# Altium PCB sensorboard.PcbDoc (part 1 of 2) (continued)
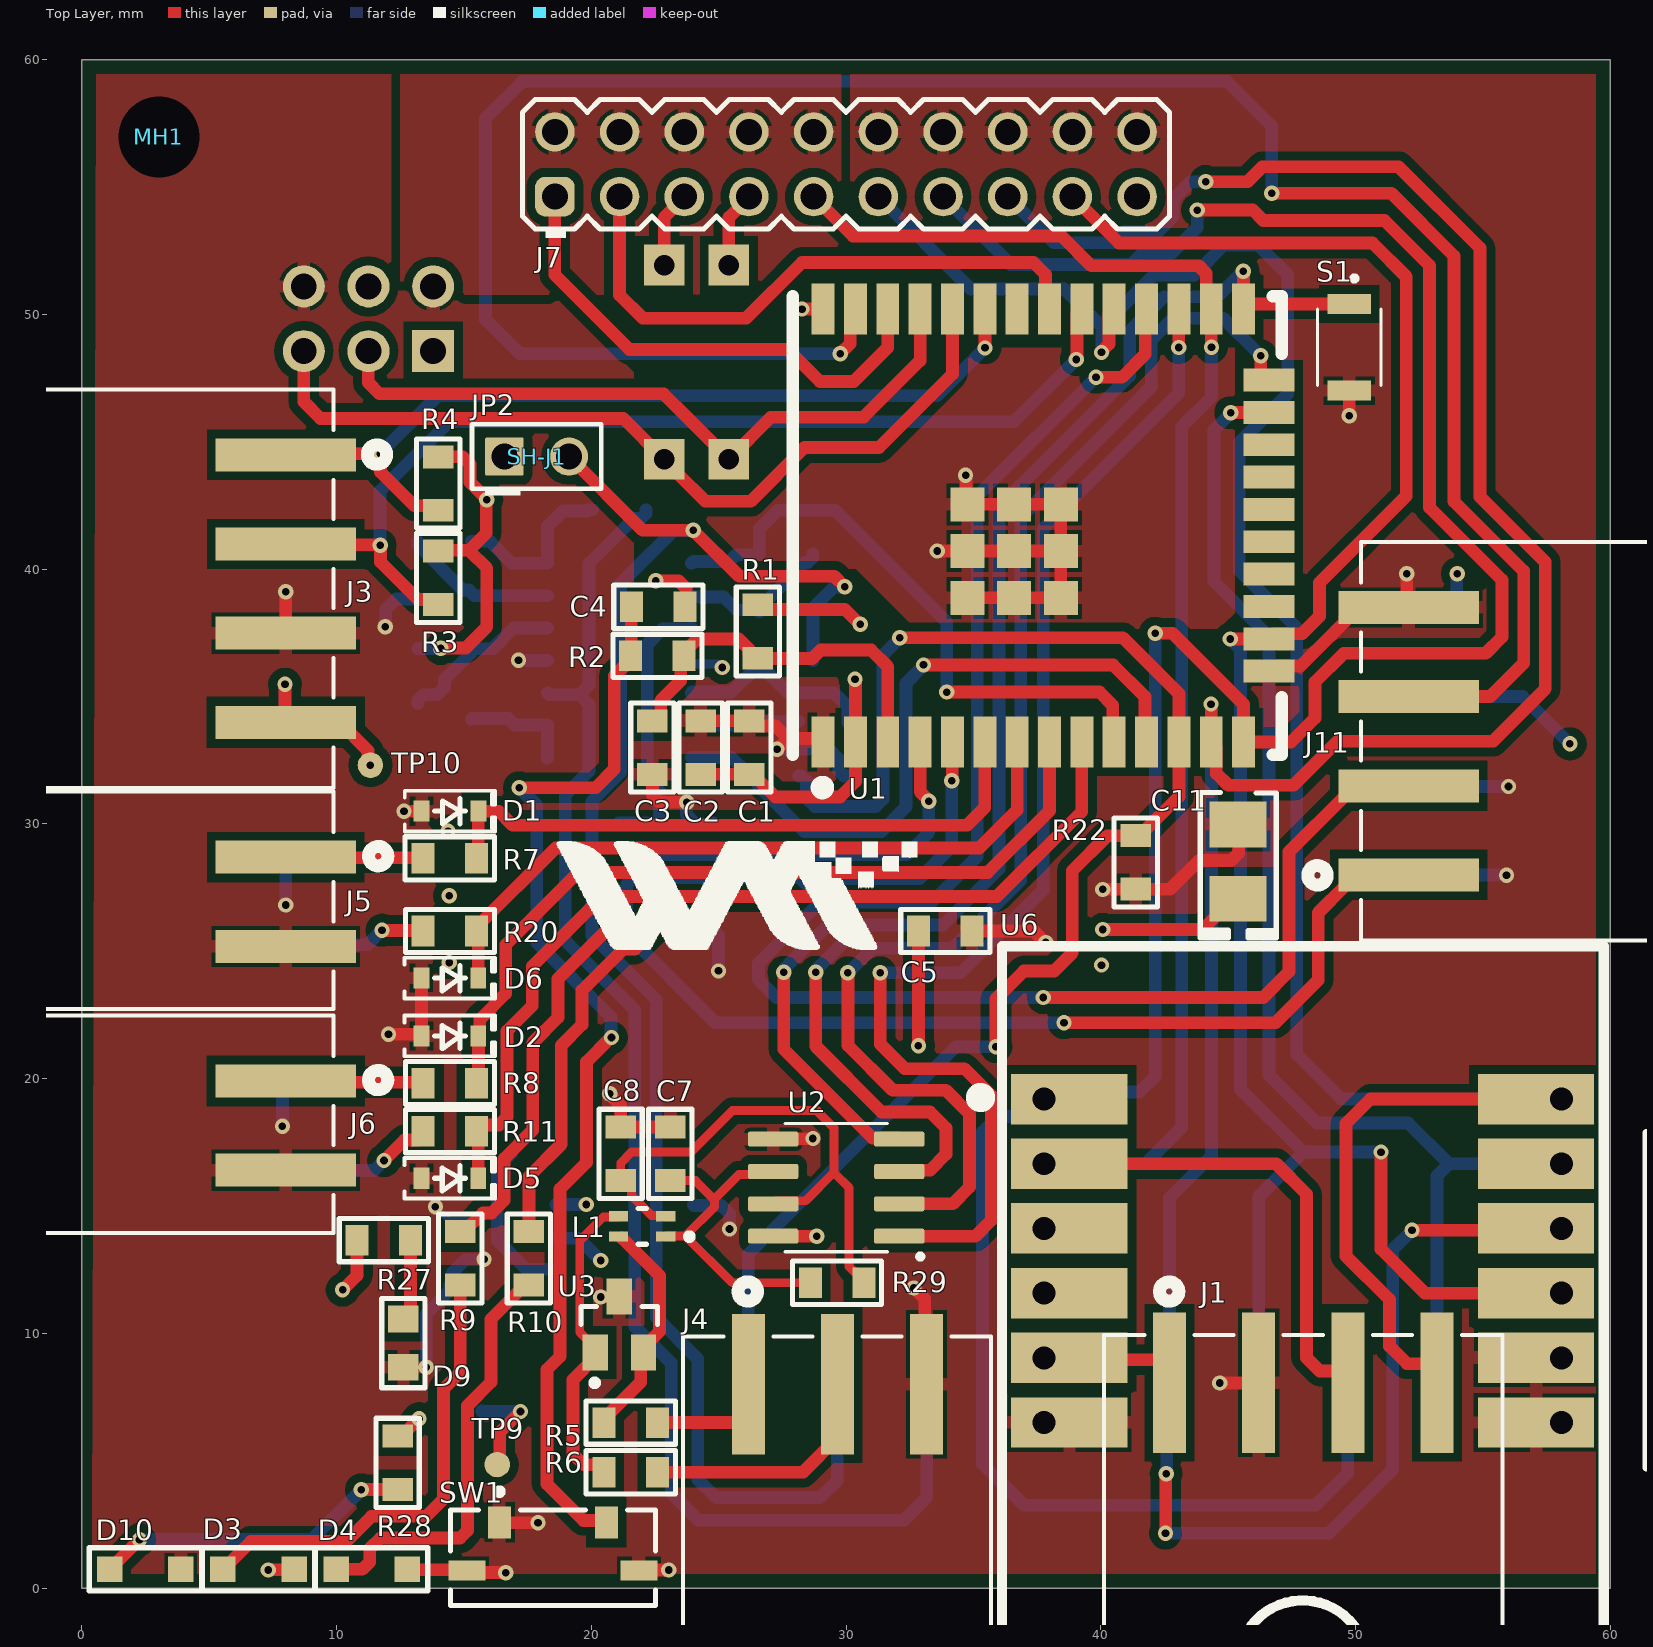
[diagram p0: Top Layer view]
## Components (designator, comment, footprint, x,y, rotation, side; value= is the part's Value field where it differs from the comment)
BR1 "DB107S" DIOB_DB107S 83.21,13.945 r0 top
C1 "22uF" C0805 26.2,33 r270 top
C2 "0.1uF" C0805 24.3,33 r270 top
C3 "1uF" C0805 22.4,33 r90 top
C4 "0.1uF" C0805 22.631,38.532 r180 top
C5 "0.1uF" C0805 33.9,25.8 r0 top
C6 "1nF/400VAC" Q12B1D102KN0B0S0N0 74.168,6.299 r90 top
C7 "100pF" C0805 23.1,17.05 r90 top
C8 "100pF" C0805 21.15,17.05 r90 top
C9 "100µF" "CAP POL 2917_7343" 20.7,4.9 r270 bottom
C10 "100µF" "CAP POL 2917_7343" 24.65,22.95 r90 bottom
C11 "1µF" "CAP POL 1411_3528" 45.39,28.524 r90 top
C12 "1nF/400VAC" Q12B1D102KN0B0S0N0 62.967,6.299 r90 top
C13 "0.1uF/400VAC" MP2104KGC3XLC 68.58,3.277 r90 top
D1 "CUS10S30,H3F" SOD323 14.453,30.505 r0 top
D2 "CUS10S30,H3F" SOD323 14.45,21.68 r0 top
D3 "GLED-RA" 12-21C/G6C-KN2P2/2C 6.934,0.737 r0 top
D4 "BLED-RA" 12-21C/BHC-AP1Q1N/2C 11.379,0.737 r0 top
D5 "CUS10S30,H3F" SOD323 14.45,16.093 r0 top
D6 "CUS10S30,H3F" SOD323 14.45,23.95 r0 top
D7 "P6SMB7.5A" "DO214AA SMB" 15.7,4.8 r90 bottom
D8 "BZX84C5V6W-7-F" "DIODES SOT-323-3" 15.1,10.85 r270 bottom
D9 "GLED" ORH-G35A 12.625,9.618 r270 top
D10 "RLED-RA" 12-21SURC/S530-A3/TR8 2.489,0.737 r0 top
D11 "PESDHC2FD4V5BH" PESDHC2FD4V5BH 15.9,14.453 r0 bottom
F1 "CC12H3A-TR" "FUSE 1206_3216 0.6MM" 10.25,11.7 r0 bottom
F2 "MF2410F1.000TM" MF2410F1.000TM-Fuse2410 78.638,11.379 r90 top
J1 "2213932-4" CONN_2213932-4_TEC-NoBody 42.703,8.06 r0 top
J2 "2213932-4" CONN_2213932-4_TEC 8.001,33.99 r90 bottom
J3 "2213932-4" CONN_2213932-4_TEC 8.001,44.49 r270 top
J4 "2213932-3" CONN_2213932-3_TEC 26.167,8.001 r0 top
J5 "2213932-2" CONN_2213932-2_TEC 8.004,28.697 r270 top
J6 "2213932-2" CONN_2213932-2_TEC 8.001,19.908 r270 top
J7 "PEC10DAAN" "Male Header 10x2" 30,55.9 r90 top
J8 "2213932-2" CONN_2213932-2_TEC 8.001,16.414 r90 bottom
J9 "2213932-2" CONN_2213932-2_TEC 8.004,25.197 r90 bottom
J10 "2213932-3" CONN_2213932-3_TEC 33.167,8.001 r180 bottom
J11 "2213932-4" CONN_2213932-4_TEC 52.095,28.001 r90 top
J12 "2213932-4" CONN_2213932-4_TEC 52.095,38.501 r270 bottom
J13 "PT-Block" "PLUGGABLE 2X3P TERMINAL BLOCK RIGHT ANGLE" 79.858,80.721 r270 top
J14 "2213932-4" CONN_2213932-4_TEC 53.203,8.06 r180 bottom
J15 "PT-Block" "PLUGGABLE 2X6P TERMINAL BLOCK RIGHT ANGLE" 21.565,97.79 r270 top
J16 "PT-Block" "PLUGGABLE 2X6P TERMINAL BLOCK RIGHT ANGLE" 51.105,105.461 r270 top
JP1 "PEC03DAAN" "MALE HEADER 2X3 RA" 13.792,48.565 r180 bottom
JP2 "PEC02SAAN" "Male Header 2x1" 16.586,44.425 r0 top
L1 "ACM2012-121-2P-T002" TDK-ACM2012-4_V 22,14.2 r180 top
L2 "47µH" "WURTH WE-LQS 6045" 16.9,19.4 r270 bottom
L3 "UU9.8Y-10mH" UU9.8Y-10MH 79.375,92.152 r90 top
MH1 "MTG_NoPads" ? 3.023,56.972 r0 top
MH2 "MTG_NoPads" ? 73.355,26.162 r0 top
PS1 "HLK-5M05" CONV_HLK-5M05 131.166,83.617 r90 top
R1 "10Kohm" R0805 26.543,36.508 r90 top
R2 "0R" R0805 21.547,36.601 r0 top
R3 "10Kohm" R0805 13.995,38.616 r90 top
R4 "10Kohm" R0805 13.995,42.316 r90 top
R5 "10ohm" R0805 22.6,6.5 r180 top
R6 "10ohm" R0805 22.6,4.55 r180 top
R7 "1K" R0805 15.494,28.651 r180 top
R8 "1K" R0805 15.5,19.83 r180 top
R9 "33ohm" R0805 14.859,11.895 r90 top
R10 "33ohm" R0805 17.551,11.895 r90 top
R11 "1K" R0805 15.5,17.943 r180 top
R12 "470k" R0805 28.694,40.615 r180 bottom
R13 "100k" R0805 15.291,41.097 r180 bottom
R14 "110k" R0805 26.602,38.329 r0 bottom
R15 "110k" R0805 21.074,30.048 r180 bottom
R16 "470k" R0805 22.682,30.048 r0 bottom
R17 "100k" R0805 15.291,38.837 r180 bottom
R18 "3.3k" R0805 22.149,42.342 r180 bottom
R19 "100k" R0805 15.291,36.881 r180 bottom
R20 "1K" R0805 15.5,25.8 r180 top
R21 "470k" R0805 26.213,33.985 r270 bottom
R22 "1.6k (1%)" R0805 41.377,29.54 r270 top
R23 "110k" R0805 28.143,33.985 r270 bottom
R24 "100k" R0805 15.291,34.722 r180 bottom
R25 "110k" R0805 26.602,36.424 r0 bottom
R26 "470k" R0805 30.074,33.985 r270 bottom
R27 "200ohm" R0805 12.903,13.665 r180 top
R28 "130ohm" R0805 12.395,3.869 r90 top
R29 "120ohm" R0805 28.6,11.989 r0 top
R30 "MOV-10D221K" MOV-10D221K_BRN 96.698,78.867 r0 top
S1 "B3U-1000P" SW_B3U-1000P 49.759,48.717 r270 top
SH-J1 "SNT-100-BK-G" Jumper 17.348,44.552 r90 top value=1x2
SW1 "TL3330AF260QG" FP-TL3330AF260QG-MFG 18.491,1.194 r0 top
SW2 "C3661" C3661 24.13,48.133 r90 bottom
TP9 "TestPoint" TESTPOINT 16.307,4.851 r0 top
TP10 "TestPoint" TESTPOINT 11.328,32.309 r90 top
U1 "ESP32-WROOM-32UE" ESP32WROOM32UEM113EH6400UH3Q0 37.51,41.715 r90 top
U2 "MAX3485ESA+" SOIC127P600X175-8N 29.616,15.723 r180 top
U3 "SM712.TCT" SMTC-SOT23-3_V 21.1,10.35 r90 top
U4 "LMV844MA/NOPB" LM844 21.107,36.424 r0 bottom
U5 "AP1509-33SG-13" AP1509 21.3,13.15 r0 bottom
U6 "USR-ES1_WIZNET5500" USR-ES1-WIZNET5500 47.93,12.852 r0 top

## Footprints (in the part's own frame and the unit in brackets; to place one, negate y for a bottom-side part, rotate by r counter-clockwise, add the part's x,y. Pads: shape width x height; smd on the part's side, far side on the other; paste and mask are expansions set on the pad)
12-21C/BHC-AP1Q1N/2C [mm]
  rect 1x1 smd: 1(-1.4,0) 2(1.4,0)
  silkscreen extent -2.2,-0.85 2.2,0.85, body extent -1.63,-0.9 1.63,0, height 1.66
12-21C/G6C-KN2P2/2C [mm]
  rect 1x1 smd: 1(-1.4,0) 2(1.4,0)
  silkscreen extent -2.2,-0.85 2.2,0.85, body extent -1.63,-0.9 1.63,0, height 1.66
12-21SURC/S530-A3/TR8 [mm]
  rect 1x1 smd: 1(-1.4,0) 2(1.4,0)
  silkscreen extent -2.2,-0.85 2.2,0.85, body extent -1.63,-0.9 1.63,0, height 1.66
AP1509 [mm]
  rect 1.55x0.6 smd: 1(-2.7,1.905) 2(-2.7,0.635) 3(-2.7,-0.635) 4(-2.7,-1.905) 5(2.7,-1.905) 6(2.7,-0.635) 7(2.7,0.635) 8(2.7,1.905)
  silkscreen extent -3.27,-2.6 2.1,3.19, body extent -3.12,-2.47 3.13,2.48, height 1.75
C0805 [mm]
  rect 0.9x1.2 smd: 1(-1.05,0) 2(1.05,0)
  silkscreen extent -1.75,-0.85 1.75,0.85, body extent -1,-0.65 1,0.66, height 0.74
C3661 [mm]
  rect 1.6x1.6 hole 0.8: 1(-3.81,1.27) 2(-3.81,-1.27) 3(3.81,1.27) 4(3.81,-1.27)
  silkscreen extent -4.73,-2.54 1.97,3.23, body extent -4.03,-3.29 3.97,3.26, height 4.65
"CAP POL 1411_3528" [mm] "Molded Capacitor, 2-Leads, Body 3.50x2.80mm, IPC Medium Density"
  rect 1.8x2.23 smd: 1(-1.46,0) 2(1.46,0)
  silkscreen extent -3,-1.5 2.71,1.48, body extent -1.87,-1.45 1.86,1.45, height 2
"CAP POL 2917_7343" [mm] "Molded Capacitor, 2-Leads, Body 7.30x4.30mm, IPC Medium Density"
  rect 2.55x2.45 smd: 1(-3.025,0) 2(3.025,0)
  silkscreen extent -4.57,-2.3 3.8,2.3, body extent -3.65,-2.15 3.65,2.15, height 4.1
CONN_2213932-2_TEC [mil]
  rect 51x217 smd: 1(0,0) 2(137.8,0)
  silkscreen extent -101,-436 235,158, body extent -97,-431 234,69, height 272
CONN_2213932-3_TEC [mil]
  rect 51x217 smd: 1(0,0) 2(137.8,0) 3(275.59,0)
  silkscreen extent -101,-436 375,158, body extent -97,-429 372,71, height 289
CONN_2213932-4_TEC [mil]
  rect 51x217 smd: 1(0,0) 2(137.8,0) 3(275.59,0) 4(413.39,0)
  silkscreen extent -101,-436 515,156, body extent -96,-431 510,69, height 289
CONN_2213932-4_TEC-NoBody [mil]
  rect 51x217 smd: 1(0,0) 2(137.8,0) 3(275.59,0) 4(413.39,0)
  silkscreen extent -101,-436 515,156
CONV_HLK-5M05 [mm]
  rect 3x3 hole 1: 1(-16.8,3)
  round 3 hole 1: 2(-16.8,-3) 3(16.8,9) 4(16.8,-9)
  silkscreen extent -19.9,-11.5 19,11.5, body extent -19,-11.5 19,11.5, height 18.01
DIOB_DB107S [mm]
  rect 1.2x1.9 smd: NEG(0,0) POS(5.1,0) ~(5.1,-8.74) ~.(0,-8.74)
  silkscreen extent -1.7,-7.31 6.8,-1.41, body extent -1.61,-9.55 6.71,0.85, height 2.66
"DIODES SOT-323-3" [mm] "SOT323, 3-Leads, Body 2.00x2.10mm, Pitch 0.65mm, IPC Medium Density"
  rect 0.9x0.7 smd: 1(-0.95,0.65) 2(0.95,0) 3(-0.95,-0.65)
  silkscreen extent -1.07,-1.1 0.67,1.67, body extent -1.06,-1 1.06,1, height 1
"DO214AA SMB" [mm] "Molded Diode, 2-Leads, Body 4.31x3.62mm, IPC Medium Density"
  rect 2.45x2.15 smd: 1(-2.15,0) 2(2.15,0)
  silkscreen extent -3.6,-1.8 3.8,1.8, body extent -2.6,-1.8 2.6,1.8, height 2.4
ESP32WROOM32UEM113EH6400UH3Q0 [mm]
  rect 2x0.9 smd: 1(-8.5,8.41) 2(-8.5,7.14) 3(-8.5,5.87) 4(-8.5,4.6) 5(-8.5,3.33) 6(-8.5,2.06) 7(-8.5,0.79) 8(-8.5,-0.48) 9(-8.5,-1.75) 10(-8.5,-3.02) 11(-8.5,-4.29) 12(-8.5,-5.56) 13(-8.5,-6.83) 14(-8.5,-8.1) 25(8.5,-8.1) 26(8.5,-6.83) 27(8.5,-5.56) 28(8.5,-4.29) 29(8.5,-3.02) 30(8.5,-1.75) 31(8.5,-0.48) 32(8.5,0.79) 33(8.5,2.06) 34(8.5,3.33) 35(8.5,4.6) 36(8.5,5.87) 37(8.5,7.14) 38(8.5,8.41)
  rect 0.9x2 smd: 15(-5.715,-9.1) 16(-4.445,-9.1) 17(-3.175,-9.1) 18(-1.905,-9.1) 19(-0.635,-9.1) 20(0.635,-9.1) 21(1.905,-9.1) 22(3.175,-9.1) 23(4.445,-9.1) 24(5.715,-9.1)
  rect 1.33x1.33 smd: 39(-2.835,-0.925) 39(-2.835,0.91) 39(-2.835,2.745) 39(-1,2.745) 39(-1,-0.925) 39(-1,0.91) 39(0.835,2.745) 39(0.835,-0.925) 39(0.835,0.91)
  silkscreen extent -10.5,-9.6 9,9.6, body extent -9.06,-9.63 9.01,9.61, height 3.41
FP-TL3330AF260QG-MFG [mm]
  rect 0.9x1.27 smd paste+0 mask+0: 1(-2.1,1.385) 2(2.1,1.385)
  rect 1.45x0.8 smd paste+0 mask+0: 3(-3.375,-0.5) 4(3.375,-0.5)
  silkscreen extent -4.03,-1.88 4.03,2.72, body extent -3.9,-1.75 3.9,1.75, height 3.75
"FUSE 1206_3216 0.6MM" [mm] "Chip Fuse 1.5A AC 63V DC, 2-Leads, Body 3.10x1.55mm, IPC Medium Densitym"
  rect 1.25x1.65 smd: 1(-1.725,0) 2(1.725,0)
  silkscreen extent -0.8,-0.73 0.8,0.72, body extent -1.55,-0.77 1.55,0.78, height 0.76
Jumper [mil]
  round 1 on Mech1: 0(-5,-20)
  body extent -55,-120 45,80, height 344
LM844 [mm] "SOIC, 14-Leads, Body 8.75x4mm, Pitch 1.27mm, IPC Low Density"
  rrect15% 1.65x0.65 smd: 1(-2.825,3.81) 2(-2.825,2.54) 3(-2.825,1.27) 4(-2.825,0) 5(-2.825,-1.27) 6(-2.825,-2.54) 7(-2.825,-3.81) 8(2.825,-3.81) 9(2.825,-2.54) 10(2.825,-1.27) 11(2.825,0) 12(2.825,1.27) 13(2.825,2.54) 14(2.825,3.81)
  silkscreen extent -2.95,-4.38 1.6,5.07, body extent -3.02,-4.32 3.02,4.32, height 1.59
"Male Header 2x1" [mm]
  rrect7% 1.5x1.5 hole 1.016: 1(0,0)
  round 1.5 hole 1.016: 2(2.54,0)
  silkscreen extent -1.27,-1.52 3.81,1.27, body extent -1.27,-1.27 3.81,1.27, height 8.38
"MALE HEADER 2X3 RA" [mm]
  rect 1.65x1.65 hole 1.016 mask+0: 1(0,0)
  round 1.65 hole 1.016 mask+0: 2(0,2.54) 3(2.54,0) 4(2.54,2.54) 5(5.08,0) 6(5.08,2.54)
  silkscreen extent -1.52,-1.52 6.35,8.98, body extent -1.27,-0.28 6.35,12.48, height 5.74
"Male Header 10x2" [mm]
  rrect50% 1.55x1.55 hole 1.016: 1(-1.27,11.43)
  round 1.55 hole 1.016: 2(1.27,11.43) 3(-1.27,8.89) 4(1.27,8.89) 5(-1.27,6.35) 6(1.27,6.35) 7(-1.27,3.81) 8(1.27,3.81) 9(-1.27,1.27) 10(1.27,1.27) 11(-1.27,-1.27) 12(1.27,-1.27) 13(-1.27,-3.81) 14(1.27,-3.81) 15(-1.27,-6.35) 16(1.27,-6.35) 17(-1.27,-8.89) 18(1.27,-8.89) 19(-1.27,-11.43) 20(1.27,-11.43)
  silkscreen extent -2.9,-12.7 2.54,12.7, body extent -2.54,-12.7 2.54,12.7, height 8.38
MF2410F1.000TM-Fuse2410 [mm]
  rect 2.15x2.8 smd: 1(-2.455,0) 2(2.455,0)
  silkscreen extent -1,-1.27 1,1.27, body extent -3.05,-1.27 3.05,1.27, height 2.75
MOV-10D221K_BRN [mil]
  rect 65x65 hole 45 mask+0: 1(0,0)
  round 65 hole 45 mask+0: 2(295.28,0)
  silkscreen extent -103,-82 399,82, body extent -69,-68 364,67, height 531
MP2104KGC3XLC [mm]
  rect 2.5x2.5 hole 1.4: 1(0,0) 2(10,0)
  silkscreen extent -1.57,-1.55 11.57,1.55
ORH-G35A [mm]
  rect 1.05x1.2 smd: 1(-0.95,0) 2(0.95,0)
  silkscreen extent -1.75,-0.85 1.75,0.85, body extent -1,-0.62 1,0.62, height 1.11
PESDHC2FD4V5BH [mm]
  rect 0.4x0.6 smd: 1(-0.35,0) 2(0.35,0)
  silkscreen extent -0.72,-0.47 0.72,0.48, body extent -0.65,-0.41 0.65,0.41, height 0.5
"PLUGGABLE 2X3P TERMINAL BLOCK RIGHT ANGLE" [mm]
  rect 2.5x2.5 hole 1.4: 1(0,0) 2(3.81,0) 3(7.62,0) 4(0,-12.7) 5(3.81,-12.7) 6(7.62,-12.7)
  silkscreen extent -2.46,-21.81 10.08,1.78
"PLUGGABLE 2X6P TERMINAL BLOCK RIGHT ANGLE" [mm]
  rect 2.5x2.5 hole 1.4: 1(0,0) 2(3.81,0) 3(7.62,0) 4(11.43,0) 5(15.24,0) 6(19.05,0) 7(0,-12.7) 8(3.81,-12.7) 9(7.62,-12.7) 10(11.43,-12.7) 11(15.24,-12.7) 12(19.05,-12.7)
  silkscreen extent -2.46,-21.81 21.59,1.78
Q12B1D102KN0B0S0N0 [mm]
  rect 2.5x2.5 hole 1.4: 1(0,0) 2(10,0)
  silkscreen extent -1.57,-1.55 11.58,1.55, body extent -0.33,-2.55 10.32,2.45, height 14.5
R0805 [mm]
  rect 0.9x1.2 smd: 1(0,0) 2(2.1,0)
  silkscreen extent -0.7,-0.85 2.8,0.85, body extent 0.05,-0.62 2.05,0.63, height 0.56
SMTC-SOT23-3_V [mm] "SOT23, 3-Leads, Body 2.92x2.37mm, Pitch 0.95mm"
  rect 1.4x1 smd: 1(-1.1,0.95) 2(-1.1,-0.95) 3(1.1,0)
  silkscreen extent -2.41,-1.5 0.7,1.5, body extent -0.7,-1.52 0.7,1.52, height 1.12
SOD323 [mm] "SOD, 2-Leads, Body 1.25x2.50mm, IPC Medium Density"
  rect 0.625x0.83 smd: 1(-1.112,0) 2(1.112,0)
  silkscreen extent -1.78,-0.8 1.78,0.8, body extent -1.36,-0.62 1.36,0.62, height 1.05
SOIC127P600X175-8N [mm]
  rrect25% 1.97x0.59 smd: 1(-2.475,1.905) 2(-2.475,0.635) 3(-2.475,-0.635) 4(-2.475,-1.905) 5(2.475,-1.905) 6(2.475,-0.635) 7(2.475,0.635) 8(2.475,1.905)
  silkscreen extent -3.4,-2.52 2,2.8, body extent -3,-2.45 3,2.45, height 1.75
SW_B3U-1000P [mm]
  rect 0.8x1.7 smd: 1(-1.7,0) 2(1.7,0)
  silkscreen extent -2.8,-1.25 1.5,1.25, body extent -2,-1.25 2,1.25, height 1.76
TDK-ACM2012-4_V [mm] "SMD, 4-Leads, Body 2.2x1.4mm"
  rect 0.75x0.4 smd: 1(-0.925,0.4) 2(-0.925,-0.4) 3(0.925,-0.4) 4(0.925,0.4)
  silkscreen extent -1.97,-0.7 0.16,0.7, body extent -1.1,-0.7 1.1,0.7, height 1.3
TESTPOINT [mm]
  round 1 smd: 1(0,0)
USR-ES1-WIZNET5500 [mil]
  rect 180x78 hole 35.43 copper offset 39.37,0: 1(-400,250) 2(-400,150) 3(-400,50) 4(-400,-50) 5(-400,-150) 6(-400,-250)
  rect 180x78 hole 35.43 copper offset -39.37,0: 7(400,-250) 8(400,-150) 9(400,-50) 10(400,50) 11(400,150) 12(400,250)
  silkscreen extent -501,-625 465,486, body extent -455,-618 451,482, height 720
UU9.8Y-10MH [mm]
  rect 2x2 hole 1.2: 1(0,0) 2(0,-7) 3(8,-7) 4(8,0)
  silkscreen extent -3.99,-8.8 12.16,1.8, body extent -3.99,-8.81 12.17,1.8, height 15.5
"WURTH WE-LQS 6045" [mm] "SMD Power Inductor, 2-Leads, body 6x6mm"
  rect 1.8x5.7 smd: 1(-2.3,0) 2(2.3,0)
  silkscreen extent -1.1,-3 1.1,3, body extent -3,-3 3,3, height 4.5
? [mil]
  round 120 hole 125 mask+31.5: 1(0,0)

## Part data
BR1: "Bridge Rectifier Single Phase Standard 1kV Surface Mount DB-S", Package="SMD-4 SMC Diode", Availability=Unavailable, MF="SMC Diode", MP=DB107S, Price=None, SnapEDA_Link=https://www.snapeda.com/parts/DB107S/SMC%20Diode%20Solutions/view-part/582848/?ref=snap
C1 C2 C3 C4 C5 C7 C8: library part C0805, "Ceramic Capacitor SMD 0805"
C6 C12: library part Q12B1D102KN0B0S0N0, "Y1 1nF ±10% 400V 10mm Through Hole,P=10mm Suppression Capacitors RoHS", Electrolytic Through Hole Axial Capacitor=100pF, PackageDescription="Capacitor; 2 Leads", PackageReference=CAPR5-4X5, Published=23-Sep-2002, Publisher="Altium Limited"
C9 C10: library part TPSD107K010S0080, "CAP TANT 100UF 10% 10V 2917", Device Package="2917 (7343 Metric)", ESR (Equivalent Series Resistance)=80mOhm, Manufacturer="AVX Corporation", Manufacturer Size Code=D, Operating Temperature="-55°C ~ 125°C", Supplier Part Number 1=478-9137-1-ND, Tolerance=±10%, Voltage - Rated=10V, Capacitance=100µF, ComponentLink1Description=Datasheet, ComponentLink1URL=http://datasheets.avx.com/TPS.pdf, ComponentLink2Description="DigiKey Link", ComponentLink2URL=http://digikey.com/product-detail/en/avx-corporation/TPSD107K010S0080/478-9137-1-ND/4562002, Features="General Purpose", Height - Seated (Max)="0.122\" (3.10mm)", LastUpdated="9/2/2020 1:16:19 AM", Lifecycle Status=Active, Minimum Order=1, Mounting Type="Surface Mount", Package / Case="2917 (7343 Metric)", Packaging=TapeAndReel, Part Number=TPSD107K010S0080, Part Status=Active, PartId=1024, Price=0.47, Series=TPS, Size / Dimension="0.287\" L x 0.169\" W (7.30mm x 4.30mm)", Supplier 1=DigiKey, Type=Molded
C11: library part CWR11MH105KB, "CAP TANT 1UF 10% 35V 1411", Device Package="1411 (3528 Metric)", ESR (Equivalent Series Resistance)=6.5Ohm, Manufacturer=KEMET, Manufacturer Size Code=B, Operating Temperature="-55°C ~ 125°C", Supplier Part Number 1=1001-2230-1-ND, Tolerance=±10%, Voltage - Rated=35V, Capacitance=1µF, ComponentLink1Description=Datasheet, ComponentLink1URL=https://api.kemet.com/component-edge/download/datasheet/CWR11MH105KB.pdf, ComponentLink2Description="DigiKey Link", ComponentLink2URL=http://digikey.com/product-detail/en/kemet/CWR11MH105KB/1001-2230-1-ND/3317720, Failure Rate="B (0.1%)", Features="High Reliability", Height - Seated (Max)="0.083\" (2.10mm)", LastUpdated="9/2/2020 1:15:46 AM", Lifecycle Status=Active, Minimum Order=1, Mounting Type="Surface Mount", Package / Case="1411 (3528 Metric)", Packaging=TapeAndReel, Part Number=CWR11MH105KB, Part Status=Active, PartId=1, Price=1.20, Series="Military, MIL-PRF-55365/8, CWR11", Size / Dimension="0.138\" L x 0.110\" W (3.50mm x 2.80mm)", Supplier 1=DigiKey, Type=Molded
C13: library part MP2104KGC3XLC, "X2 100nF ±10% 275V 10mm Through Hole,P=10mm Suppression Capacitors RoHS", Electrolytic Through Hole Axial Capacitor=100pF, PackageDescription="Capacitor; 2 Leads", PackageReference=CAPR5-4X5, Published=23-Sep-2002, Publisher="Altium Limited"
D1 D2 D5 D6: "DIODE SCHOTTKY 30V 1A USC", Current - Average Rectified (Io)=1A, Current - Reverse Leakage @ Vr="500µA @ 30V", Manufacturer="Toshiba Semiconductor and Storage", Operating Temperature - Junction="125°C (Max)", Package / Case="SC-76, SOD-323", Supplier Device Package=USC, Supplier Part Number 1=CUS10S30H3FCT-ND, Voltage - DC Reverse (Vr) (Max)=30V, Voltage - Forward (Vf) (Max) @ If="230mV @ 100mA", ComponentLink1Description=Datasheet, ComponentLink1URL=https://toshiba.semicon-storage.com/info/docget.jsp?did=14077&prodName=CUS10S30, ComponentLink2Description="DigiKey Link", ComponentLink2URL=http://digikey.com/product-detail/en/toshiba-semiconductor-and-storage/CUS10S30H3F/CUS10S30H3FCT-ND/5114377, Diode Type=Schottky, LastUpdated="9/2/2020 1:27:26 AM", Lifecycle Status=Active, Minimum Order=1, Mounting Type="Surface Mount", Packaging=TapeAndReel, Part Number=CUS10S30,H3F, Part Status=Active, PartId=3067, Price=0.06, Series=-, Speed="Fast Recovery =< 500ns, > 200mA (Io)", Supplier 1=DigiKey
D3: library part 12-21C/G6C-KN2P2/2C, "Green-yellow 569.5~575.5nm Right-Angle 1206 Light Emitting Diodes (LED) RoHS"
D4: library part 12-21C/BHC-AP1Q1N/2C, "Blue 464.5~476.5nm 1206 Right-Angle Light Emitting Diodes (LED) RoHS"
D7: "TVS DIODE 6.4V 11.3V DO214AA", Current - Peak Pulse (10/1000µs)=54A, Manufacturer="Littelfuse Inc.", Operating Temperature="-55°C ~ 150°C (TJ)", Package / Case="DO-214AA, SMB", Power - Peak Pulse=600W, Power Line Protection=No, Supplier Device Package="DO-214AA (SMBJ)", Supplier Part Number 1=P6SMB7.5ALFCT-ND, Voltage - Breakdown (Min)=7.13V, Voltage - Clamping (Max) @ Ipp=11.3V, Voltage - Reverse Standoff (Typ)=6.4V, Applications="General Purpose", ComponentLink1Description=Datasheet, ComponentLink1URL=https://www.littelfuse.com/~/media/electronics/datasheets/tvs_diodes/littelfuse_tvs_diode_p6smb_datasheet.pdf.pdf, ComponentLink2Description="DigiKey Link", ComponentLink2URL=http://digikey.com/product-detail/en/littelfuse-inc/P6SMB7.5A/P6SMB7.5ALFCT-ND/1766722, LastUpdated="9/2/2020 1:19:51 AM", Lifecycle Status=Active, Minimum Order=1, Mounting Type="Surface Mount", Packaging=TapeAndReel, Part Number=P6SMB7.5A, Part Status=Active, PartId=11409, Price=0.10, Series=P6SMB, Supplier 1=DigiKey, Type=Zener, Unidirectional Channels=1
D8: "DIODE ZENER 5.6V 200MW SOT323", Current - Reverse Leakage @ Vr="1µA @ 2V", Manufacturer="Diodes Incorporated", Operating Temperature="-65°C ~ 125°C", Package / Case="SC-70, SOT-323", Power - Max=200mW, Supplier Device Package=SOT-323, Supplier Part Number 1=BZX84C5V6W-FDICT-ND, Tolerance=±7%, Voltage - Forward (Vf) (Max) @ If="900mV @ 10mA", Voltage - Zener (Nom) (Vz)=5.6V, ComponentLink1Description=Datasheet, ComponentLink1URL=https://www.diodes.com/assets/Datasheets/ds30066.pdf, ComponentLink2Description="DigiKey Link", ComponentLink2URL=http://digikey.com/product-detail/en/diodes-incorporated/BZX84C5V6W-7-F/BZX84C5V6W-FDICT-ND/815458, Impedance (Max) (Zzt)="40 Ohms", LastUpdated="9/2/2020 1:21:29 AM", Lifecycle Status=Active, Minimum Order=1, Mounting Type="Surface Mount", Packaging=TapeAndReel, Part Number=BZX84C5V6W-7-F, Part Status=Active, PartId=879, Price=0.05, Series=-, Supplier 1=DigiKey
D9: library part ORH-G35A, "Green 515~535nm 0805 Light Emitting Diodes (LED) RoHS"
D10: library part 12-21SURC/S530-A3/TR8, "Red 624nm Right-Angle 1206 Light Emitting Diodes (LED) RoHS"
D11: "http://www.prisemi.com/UploadImage/files/ESD(TVS%20Array%EF%BC%89/High%20capacitance/PESDHC2FD4V5BH.pdf", Breakdown Voltage=13.3V, Case/Package=SMA, Clamping Voltage=19.9V, Current=201A, Leakage Current=1uA, Manufacturer="Vishay Semiconductors", Manufacturer Part Number 1=SMAJ12A-E3/61, Max Breakdown Voltage=14.7V, Max Forward Surge Current (Ifsm)=40A, Max Operating Temperature=150°C, Max Power Dissipation=400W, Max Surge Current=20.1A, Min Operating Temperature=-55°C, Operating Supply Voltage=12V, Package Quantity=1800, Supplier Part Number 1=SMAJ12A-E3/61GICT-ND, Test Current=1mA, ComponentLink1Description=https://datasheet.ciiva.com/4247/2smaj50a-4247753.pdf?src-supplier=Arrow, ComponentLink1URL=https://datasheet.ciiva.com/4247/2smaj50a-4247753.pdf?src-supplier=Arrow, ComponentLink2Description=https://datasheet.ciiva.com/26912/getdatasheetpartid-162303-26912431.pdf?src-supplier=Verical, ComponentLink2URL=https://datasheet.ciiva.com/26912/getdatasheetpartid-162303-26912431.pdf?src-supplier=Verical, ComponentLink3Description=https://datasheet.ciiva.com/3021/88390-3021379.pdf?src-supplier=Avnet, ComponentLink3URL=https://datasheet.ciiva.com/3021/88390-3021379.pdf?src-supplier=Avnet, ComponentLink4Description=https://datasheet.ciiva.com/16199/smaj50a-16199669.pdf?src-supplier=Future+Electronics, ComponentLink4URL=https://datasheet.ciiva.com/16199/smaj50a-16199669.pdf?src-supplier=Future+Electronics, ComponentLink5Description=https://datasheet.ciiva.com/28409/548547-28409622.pdf?src-supplier=Element14, ComponentLink5URL=https://datasheet.ciiva.com/28409/548547-28409622.pdf?src-supplier=Element14, ComponentLink6Description=https://datasheet.ciiva.com/26322/548547-26322536.pdf?src-supplier=Element14, ComponentLink6URL=https://datasheet.ciiva.com/26322/548547-26322536.pdf?src-supplier=Element14, Contact Plating=Tin,Matte, Direction=Unidirectional, Element Configuration=Single, Height=2.09mm, Lead Free="Lead Free", Length=4.5mm, Max Reverse Leakage Current=1uA, Min Breakdown Voltage=13.3V, Number of Channels=1, Number of Elements=1, Number of Pins=2, Packaging="Tape and Reel", Peak Pulse Current=20.1A, Peak Pulse Power=400W, Polarity=Unidirectional, Power Dissipation=400W, Pricing 1="1 = 0.42000, 10 = 0.31500, 25 = 0.28400, 100 = 0.19610, 250 = 0.16512, 500 = 0.13416 (USD)", Radiation Hardening=No, REACH SVHC=Unknown, Reverse Breakdown Voltage=13.3V, Reverse Standoff Voltage=12V, RoHS=Yes, Stock 1=351428, Supplier 1=Digi-Key, Termination=SMD/SMT, Voltage=12V, Voltage Rating (DC)=12V, Width=2.79mm
F1: "FUSE BOARD MOUNT 3A 63VDC 1206", Breaking Capacity @ Rated Voltage=50A, Current Rating (Amps)=3A, Device Package="1206 (3216 Metric)", Manufacturer="Eaton - Electronics Division", Operating Temperature="-55°C ~ 125°C", Supplier Part Number 1=283-2982-1-ND, Voltage Rating - DC=63V, Approval Agency=cURus, Approvals=cURus, ComponentLink1Description=Datasheet, ComponentLink1URL=http://www.cooperindustries.com/content/dam/public/bussmann/Electronics/Resources/product-datasheets/Bus_Elx_DS_4309_CC12H_Series.pdf, ComponentLink2Description="DigiKey Link", ComponentLink2URL=http://digikey.com/product-detail/en/eaton-electronics-division/CC12H3A-TR/283-2982-1-ND/2138913, Fuse Type="Board Mount (Cartridge Style Excluded)", LastUpdated="9/2/2020 1:30:41 AM", Lifecycle Status=Active, Melting I²t=2.2, Minimum Order=1, Mounting Type="Surface Mount", Package / Case="1206 (3216 Metric)", Packaging=TapeAndReel, Part Number=CC12H3A-TR, Part Status=Active, Price=0.39, Response Time="Slow Blow", Series=CC12H, Size / Dimension="0.126\" L x 0.063\" W x 0.024\" H (3.20mm x 1.60mm x 0.60mm)", Supplier 1=DigiKey
F2: "Chip Fuse 1A 84mΩ 100A 0.62 2410 Surface Mount Fuses RoHS"
J1 J14: library part "Pluggable 2x8P Terminal Block Right Angle", "3.81mm Pitch Double Row Right Angle Pin Male Pluggable PCB Electrical Screw Terminal Block 2x8P", Built_By=EMA_Cory, Copyright="Copyright (C) 2018 Accelerated Designs. All rights reserved", Manufacturer_Part_Number=2213932-4, RefDes=RefDes, SourceLibrary="TE Connectivity_2020-01-22", Type=DEV, Vendor="TE Connectivity"
J2 J3 J11 J12: "Pluggable Terminal Blocks SMT TB R/A HEADER 3.5MM, 4 POS", Built_By=EMA_Cory, Copyright="Copyright (C) 2018 Accelerated Designs. All rights reserved", Manufacturer_Part_Number=2213932-4, RefDes=RefDes, SourceLibrary="TE Connectivity_2020-01-22", Type=DEV, Vendor="TE Connectivity"
J4 J10: "Pluggable Terminal Blocks SMT TB R/A HEADER 3.5MM, 3 POS", Manufacturer_Part_Number=2213932-4, Built_By=EMA_Cory, Copyright="Copyright (C) 2018 Accelerated Designs. All rights reserved", RefDes=RefDes, SourceLibrary="TE Connectivity_2020-01-22", Type=DEV, Vendor="TE Connectivity"
J5 J6 J9: "Pluggable Terminal Blocks SMT TB R/A HEADER 3.5MM, 2 POS", Manufacturer_Part_Number=2213932-4, Built_By=EMA_Cory, Copyright="Copyright (C) 2018 Accelerated Designs. All rights reserved", RefDes=RefDes, SourceLibrary="TE Connectivity_2020-01-22", Type=DEV, Vendor="TE Connectivity"
J7: library part "Male Header 10x2", "Header, 2.54mm, 10x2, Tin, TH", Color=Black, Current_A=3, Manufacturer="Sullins Connector Solutions", Supplier Part Number 1=S2012E-10-ND, Cert_UL=Y, ClassName=Header, ComponentLink1Description="Datasheet URL", ComponentLink1URL=https://drawings-pdf.s3.amazonaws.com/C10419.pdf, CompType=Header, ContactFinish=Tin, Gender=Male, Green_EU RoHS=Incomplete, Green_EU RoHS-2=Incomplete, Green_Lifecycle="Not Set", Green_REACh=Incomplete, LatestRevisionDate=2017-05-05, MountType=TH, Orientation=Vertical, PackageReference="Header, 10x2, 2.54mm, TH", PartNumber=PEC10DAAN, PinCount=20, Pitch_mm=2.54, Publisher="Texas Instruments", RoHS=Y, Row_Count=2, RowSpacing_mm=2.54, Shrouded=N, Supplier 1=Digi-Key, SymbolCreator=a0412235, SymbolVersion=2013-09-12, System=Connector
J8: library part JTAG10pin1.27mm, "CONN HEADER 10POS DUAL .05\" SMD", Manufacturer_Part_Number=2213932-4, Built_By=EMA_Cory, Copyright="Copyright (C) 2018 Accelerated Designs. All rights reserved", RefDes=RefDes, SourceLibrary="TE Connectivity_2020-01-22", Type=DEV, Vendor="TE Connectivity"
J13: library part "Pluggable 2x3P Terminal Block Right Angle", "3.81mm Pitch Double Row Right Angle Pin Male Pluggable PCB Electrical Screw Terminal Block 2x3P"
J15 J16: library part "Pluggable 2x6P Terminal Block Right Angle", "3.81mm Pitch Double Row Right Angle Pin Male Pluggable PCB Electrical Screw Terminal Block 2x6P"
JP1: library part "Male Header 2x3 RA", "Header, Right Angle, 100mil, 3x2, Tin, TH", Color=Black, Current_A=3, Manufacturer="Sullins Connector Solutions", Supplier Part Number 1=S2012E-03-ND, Voltage_V=1800, Cert_UL=Y, ClassName=Header, ComponentLink1Description="Datasheet URL", ComponentLink1URL=http://www.sullinscorp.com/catalogs/77_PAGE108-109_.100_MALE_HDR.pdf, CompType=Header, ContactFinish=Tin, Gender=Male, LatestRevisionDate=2017-04-11, MountType=TH, Orientation=Vertical, PackageReference="3x2 Header", PartNumber=PEC03DAAN, PinCount=6, Pitch_mm=2.54, Publisher="Texas Instruments", RoHS=Y, Row_Count=2, RowSpacing_mm=2.54, Shrouded=N, Supplier 1=Digi-Key, SymbolCreator=a0412235, SymbolVersion=2013-10-14
JP2: library part "Male Header 2x1", "Header, 100mil, 2x1, Tin, TH", Color=Black, Current_A=3, Manufacturer="Sullins Connector Solutions", Supplier Part Number 1=S1012E-02-ND, Voltage_V=1800, Cert_UL=Y, ClassName=Header, ComponentLink1Description="Datasheet URL", ComponentLink1URL=http://www.sullinscorp.com/catalogs/77_PAGE108-109_.100_MALE_HDR.pdf, CompType=Header, ContactFinish=Tin, Gender=Male, LatestRevisionDate=2017-04-11, MountType=TH, Orientation=Vertical, PackageReference="Header, 2 PIN, 100mil, Tin", PartNumber=PEC02SAAN, PinCount=2, Pitch_mm=2.54, Publisher="Texas Instruments", RoHS=Y, Row_Count=1, Shrouded=N, Supplier 1=Digi-Key, SymbolCreator=a0412235, SymbolVersion=2013-10-31
L1: "Common Mode Filter, For High-Speed Differential Signal Line / General Signal Line, 120 Ohm, 0.37 A, 50 V, -40 to 85 degC, 4-Pin SMD (0805), RoHS, Tape and Reel", Current=370mA, DC Resistance (DCR)=220mOhmMax, Inductance=-, Manufacturer=TDK, Operating Temperature=-40degC~85degC, Package / Case=Horizontal,4PCPad, Standard Package=1, Catalog Drawings=ACM2012SeriesTopACM2012SeriesSideACM2012SeriesBottom, Category=Filters, Datasheet URL=https://datasheet.ciiva.com/26793/acm2012-121-2p-t002-26793322.pdf, Datasheet Version=Jun-12, Family=CommonModeChokes, Filter Type=Data,SignalLine, Height (Max)="0.051\"(1.30mm)", Impedance=120Ohm, Manufacturer URL=http://www.tdk.com/, Mounting Type=SurfaceMount, Number of Lines=2, Online Catalog=ACM2012Series, Other Drawings=ACM2012SeriesSchematicACM2012SeriesFootprint, Other Names=445-2208-6, Packaging=Digi-Reel, Product Training Modules=EMCComponents, Series=ACM, Size / Dimension="0.079\"Lx0.047\"W(2.00mmx1.20mm)"
L2: library part 74404064470, "FIXED IND 47UH 1.2A 200 MOHM SMD", Current - Saturation=1.5A, Current Rating (Amps)=1.2A, DC Resistance (DCR)=200mOhm, Device Package=Nonstandard, Frequency - Self Resonant=6.4MHz, Inductance Frequency - Test=100kHz, Manufacturer="Würth Elektronik", Operating Temperature="-40°C ~ 125°C", Supplier Device Package=6045, Supplier Part Number 1=732-5556-1-ND, Tolerance=±20%, ComponentLink1Description=Datasheet, ComponentLink1URL=https://katalog.we-online.de/pbs/datasheet/74404064470.pdf, ComponentLink2Description="DigiKey Link", ComponentLink2URL=http://digikey.com/product-detail/en/w-rth-elektronik/74404064470/732-5556-1-ND/4865449, Height - Seated (Max)="0.177\" (4.50mm)", Inductance=47µH, LastUpdated="9/2/2020 1:30:28 AM", Lifecycle Status=Active, Material - Core=Ferrite, Minimum Order=1, Mounting Type="Surface Mount", Package / Case=Nonstandard, Packaging=TapeAndReel, Part Number=74404064470, Part Status=Active, PartId=3706, Price=0.69, Series=WE-LQS, Shielding=Shielded, Size / Dimension="0.236\" L x 0.236\" W (6.00mm x 6.00mm)", Supplier 1=DigiKey, Type=Wirewound
L3: "Power Line 10mH @ 1kHz 1.2Ω Through Hole Common Mode Chokes / Filters RoHS", ComponentLink1Description=Link-LCSC, ComponentLink1URL=https://lcsc.com/product-detail/Common-Mode-Chokes-Filters_FH-Guangdong-Fenghua-Advanced-Tech-UU9-8Y-10mH_C75192.html, ComponentLink2Description=Link-AliExpress, ComponentLink2URL=https://www.aliexpress.com/item/32980182330.html?spm=a2g0o.detail.1000013.1.5cfb700ddkBmdG&gps-id=pcDetailBottomMoreThisSeller&scm=1007.13339.169870.0&scm_id=1007.13339.169870.0&scm-url=1007.13339.169870.0&pvid=74876de4-c52f-4303-af43-224ca810e133&_t=gps-id:pcDetailBottomMoreThisSeller,scm-url:1007.13339.169870.0,pvid:74876de4-c52f-4303-af43-224ca810e133,tpp_buckets:668%230%23131923%2385_668%230%23131923%2385_668%23888%233325%2318_668%23888%233325%2318_668%232846%238111%231996_668%232717%237567%23943_668%231000022185%231000066059%230_668%233468%2315616%23721_668%232846%238111%231996_668%232717%237567%23943_668%233164%239976%23861_668%233468%2315616%23721
MH1 MH2: library part "Mounting Hole (non-standard) No Pad", "PCB Mounting Hole, No Pad", Manufacturer=Any, PartNumber=N/A, CompType="Mounting Hole", LatestRevisionDate=2017-01-25, MountType=N/A, PackageReference="Mounting Hole", Publisher="Texas Instruments", SymbolCreator=a0412235, SymbolVersion=2013-12-26
PS1: "AC DC 220V to 5V 5W 5Watt Isolated Switching Step-Down Power Supply Module Converter", Package="Package Analog Devices", Availability=Unavailable, MF=Hi-link, MP=HLK-5M05, Price=None, SnapEDA_Link=https://www.snapeda.com/parts/HLK-5M05/Hi-link/view-part/2758659/?ref=snap
R1 R2 R3 R4 R5 R6 R7 R8 R9 R10 R11 R12 R13 R14 R15 R16 R17 R18 R19 R20 R21 R22 R23 R24 R25 R26 R27 R28 R29: library part R0805, "Resistor SMD 0805"
R30: "Varistors 180pF 560volts 10%", Built_By=EMA_Cory, Copyright="Copyright (C) 2018 Accelerated Designs. All rights reserved", Datasheet=https://www.bourns.com/docs/Product-Datasheets/MOV10D.pdf, Manufacturer_Part_Number=MOV-10D221K, RefDes=RefDes, SourceLibrary=Bourns_2020-06-26, Type=DEV, Vendor="Bourns Electronics"
S1: "Tactile Switch SPST-NO Top Actuated Surface Mount", Package=None, Digi-Key_Part_Number=SW1020CT-ND, Digi-Key_Purchase_URL=https://www.digikey.com/product-detail/en/omron-electronics-inc-emc-div/B3U-1000P/SW1020CT-ND/1534357?utm_source=snapeda&utm_medium=aggregator&utm_campaign=symbol, MF=Omron, MP=B3U-1000P, SnapEDA_Link=https://www.snapeda.com/parts/B3U-1000P/Omron%20Electronics%20Inc-EMC%20Div/view-part/104326/?ref=snap
SH-J1: library part "SNT-100-BK-G Jumper", "Shunt, 100mil, Gold plated, Black", Alternate Manufacturer=3M, Alternate PartNumber=969102-0000-DA, Manufacturer=Samtec, Supplier Part Number 1=SNT-100-BK-G-ND, ClassName=Shunt, ComponentLink1Description="Datasheet Link", ComponentLink1URL=http://www.samtec.com/ftppub/pdf/SNT.PDF, CompType=Shunt, Green_EU RoHS=Passed, Green_EU RoHS-2=Passed, Green_Lifecycle=Active, Green_REACh=Passed, LatestRevisionDate=2017-06-22, MountType=N/A, Note="J101: 1-2", PackageReference=Shunt, PartNumber=SNT-100-BK-G, Publisher="Texas Instruments", RoHS=Y, Supplier 1=Digi-Key
SW1: "SWITCH TACTILE SPST-NO 0.05A 12V", Case/Package=SMD/SMT, Color=Black, Contact Resistance=100mR, Current Rating=50mA, Max Operating Temperature=70°C, Max Voltage Rating (DC)=12V, Min Operating Temperature=-20°C, Operating Force=260gf, Package Quantity=1, Actuator Length=1mm, Actuator Material=Nylon, Contact Material=Silver, Contact Plating=Silver, Electrical Life=30000Cycles, Illumination Type=Non-Illuminated, Lead Free="Lead Free", Mechanical Life=30000Cycles, Mount="Surface Mount", Orientation="Right Angle", Packaging="Tape and Reel", Switch Function=Off-Mom, Switch Travel=0.25mm, Termination="Gull Wing", Throw Configuration=SPST, Voltage Rating (DC)=12V
SW2: "SPST 2 2.54mm, Full Slide (Standard) Red Through Hole DIP Switches RoHS", Current Rating (Amps)=25mA, Manufacturer="CTS Electrocomponents", Operating Temperature="-55°C ~ 85°C", Part Number=218-2LPST, Supplier Part Number 1=CT2182LPST-ND, Voltage Rating=24VDC, Actuator Level="Flush, Recessed", Actuator Type="Slide (Standard)", Circuit=SPST, ComponentLink1Description=Datasheet, ComponentLink1URL=https://www.ctscorp.com/wp-content/uploads/218.pdf, ComponentLink2Description="DigiKey Link", ComponentLink2URL=http://digikey.com/product-detail/en/cts-electrocomponents/218-2LPST/CT2182LPST-ND/267319, Contact Finish=Gold, Contact Material="Beryllium Copper", Features="Epoxy Sealed Terminals, Tape Seal", Height Above Board="0.104\" (2.65mm)", LastUpdated="1/4/2020 6:30:26 PM", Lifecycle Status=Active, Minimum Order=1, Mounting Type="Surface Mount", Number of Positions=2, Packaging=Tube, Part Status=Active, PartId=3, Pitch="0.050\" (1.27mm), Half", Price=1.04, Series=218, Supplier 1=DigiKey, Termination Style="Gull Wing", Washable=Yes
U1: "WIFI MODULE 4MBITS SPI FLASH", Frequency="2.4GHz ~ 2.5GHz", Manufacturer="Espressif Systems", Operating Temperature="-40°C ~ 85°C", Package / Case="38-SMD Module", Part Number=ESP32-WROOM-32D, Power - Output=20.5dBm, Supplier Part Number 1=1904-1023-1-ND, Voltage - Supply="2.7V ~ 3.6V", Antenna Type="Integrated, Trace", ComponentLink1Description=Datasheet, ComponentLink1URL=https://www.espressif.com/sites/default/files/documentation/esp32-wroom-32d_esp32-wroom-32u_datasheet_en.pdf, ComponentLink2Description="DigiKey Link", ComponentLink2URL=http://digikey.com/product-detail/en/espressif-systems/ESP32-WROOM-32D/1904-1023-1-ND/9381732, Data Rate=150Mbps, LastUpdated="7/31/2020 3:42:37 PM", Lifecycle Status=Active, Memory Size="448kB ROM, 536kB SRAM", Minimum Order=1, Modulation="CCK, DSSS, OFDM", Mounting Type="Surface Mount", Packaging=TapeAndReel, Part Status=Active, Price=3.80, Protocol="802.11b/g/n, Bluetooth v4.2 + EDR, Class 1, 2 and 3", RF Family/Standard="Bluetooth, WiFi", Sensitivity=-98dBm, Serial Interfaces="GPIO, I²C, I²S, PWM, SDIO, SPI, UART", Series=ESP32, Supplier 1=DigiKey, Utilized IC / Part=ESP32-D0WD
U2: "1/1 Transceiver Half RS422, RS485 8-SOIC", Package="SOIC-8 Maxim", Availability=Unavailable, MF="Maxim Integrated", MP=MAX3485ESA+, Price=None, SnapEDA_Link=https://www.snapeda.com/parts/MAX3485ESA%2B/Maxim%20Integrated/view-part/225576/?ref=snap
U3: "Asymmetrical TVS Diode for Extended Common-Mode RS-485, 400 W, -55 to 125 degC, 3-Pin SOT23, RoHS, Tape and Reel", Clamping Voltage=26V/12V, Leakage Current=1uA/20uA, Leakage Current (Max)=0.02uA, Manufacturer=Semtech, Operating Temp Range=-55Cto125C, Operating Temperature Classification=Military, Operating Temperature Max Deg. C=125C, Operating Temperature Min Deg. C=-55C, Package / Case=SOT-23, Package Description="3-Pin Small Outline Transistor, Body 2.9 x 1.3 mm, Pitch 0.95 mm", Package Reference=SOT23-3, Peak Pulse Current=17A, Peak Pulse Power Dissipation=400W, Reverse Breakdown Voltage=13.3V, Reverse Stand-off Voltage=12V, Test Current (It)=1mA, Working Voltage=12V/7V, Configuration=Dual, Datasheet URL=https://datasheet.ciiva.com/18065/getdatasheetpartid-110620-18065348.pdf, Datasheet Version=Nov-04, Direction Type=Bi-Directional, Manufacturer URL=http://www.semtech.com/, Mounting=SurfaceMount, Mounting Style=SurfaceMount, Number of Elements=2, Packaging=TapeandReel, Pin Count=3, Polarity=Bi-Directional, Product Depth (mm)=1.3mm, Product Height (mm)=0.95mm, Product Length (mm)=2.9mm, Rad Hardened=No, Suppressor Type=TVS
U4: "Quad CMOS Input, RRIO, Wide Supply Range Quad Operational Amplifiers, 14-pin Narrow SOIC, Pb-Free", Manufacturer="Texas Instruments", Package Reference=D0014A, PackageTopMarking=NSUZXYTTE#*LMV844MA, PowerWise=N, Code_IPC=SOIC127P600-14, Code_JEDEC=MS-012AB, ComponentLink1Description="Datasheet URL", ComponentLink1URL=http://www.ti.com/general/docs/lit/getliterature.tsp?genericPartNumber=LMV844&fileType=pdf, CompType=Amplifiers, PackageDescription="Molded Package S.O., .150in Wide, 14 Lead", PinCount=14, RoHS=Y
U5: "22V 2A SOIC-8_150mil DC-DC Converters RoHS", Built_By=EMA_UL_Team, Copyright="Copyright (C) 2018 Accelerated Designs. All rights reserved", Manufacturer_Part_Number=AP1509-33SG-13, RefDes=RefDes, SourceLibrary=DIODESINC_2_2015-08-18, Type=DEV, Vendor="Diodes Inc"
U6: "Ethernet Controllers Module 10/100 Base-T/TX PHY SPI 2.97V ~ 3.63V LQFP-48_7x7x05P Ethernet ICs RoHS"

## Via types
v1: diameter 0.6, hole 0.3, Top Layer to Bottom Layer, tented both sides, 98 vias

## Nets (pads, with @x,y where several pads share a name; then routed paths per layer and width w, separated by ;. In a path a pad name is that pad's centre, name@x,y a point inside that pad or via, vN(x,y) a via of type N, cw(c..) or ccw(c..) an arc to the next point about the centre after c; other vN are vias at no path point)
AC_1: F2.1 J13.4
AC_2: C13.1 J13.5 L3.4 R30.1
CT_1: D6.2 R20.1 U1.7 | length 27.8
  Top Layer w0.5: D6.2@15.563,23.95 15.562,25.737 R20.1@15.5,25.8 15.5,25.95 18.608,29.058 35.23,29.058 36.72,30.548 U1.7@36.72,33.215
CT_2: D1.2 R7.1 U1.6 | length 24.9
  Top Layer w0.5: R7.1@15.494,28.651 15.562,28.72 15.562,30.505 15.628,30.505 16.358,30.505 16.913,29.95 34.751,29.95 35.45,30.649 U1.6@35.45,33.215
CT_3: D5.2 R11.1 U1.9 | length 36.1
  Top Layer w0.5: R11.1@15.5,17.943 15.562,17.88 D5.2@15.562,16.093 ; R11.1@15.7,18.179 16.375,18.179 16.691,18.494 16.691,21.872 17.678,22.86 17.678,24.409 20.422,27.153 35.919,27.153 39.26,30.494 U1.9@39.26,33.215
CT_4: D2.2 R8.1 U1.8 | length 32.1
  Top Layer w0.5: R8.1@15.5,19.83 15.57,19.9 15.57,21.673 D2.2@15.562,21.68 15.625,21.743 15.625,22.331 16.637,23.343 16.637,25.248 19.482,28.092 35.56,28.092 37.99,30.522 U1.8@37.99,33.215
Earth: C6.1 C12.2 J13.6 MH2.1
ESP32-BOOT/MODBUS_DE: S1.1 U1.25 U2.3 | length 55.4
  Top Layer w0.5: v1(28.808,24.177) 28.811,24.173 28.811,21.277 31.393,18.696 33.298,18.696 33.93,18.063 33.93,17.039 33.294,16.403 32.136,16.403 U2.3@32.091,16.358 ; v1(45.593,51.703) 45.601,51.695 45.601,50.581 45.763,50.419 S1.1@49.759,50.419
  Bottom Layer w0.5: v1(28.808,24.177) 28.827,24.196 28.827,24.28 30.582,26.035 33.807,26.035 36.004,28.231 36.004,42.453 41.136,47.585 41.136,49.349 42.493,50.705 44.595,50.705 v1(45.593,51.703)
ESP32-LTE-CTS: J7.1 U1.36 | length 19.9
  Top Layer w0.5: J7.1@18.57,54.63 18.57,51.559 21.501,48.628 27.724,48.628 28.981,47.371 30.302,47.371 31.64,48.709 U1.36@31.64,50.215
ESP32-LTE-DCD: J1.4 J7.11 U1.29 U6.12 | length 86.9
  Top Layer w0.5: v1(40.03,48.514) 40.03,48.541 40.33,48.841 40.33,50.015 U1.29@40.53,50.215 ; J1.4@53.203,8.788 53.177,8.814 52.019,8.814 51.333,9.5 51.333,11.328 49.632,13.03 49.632,18.237 50.594,19.2 U6.12@58.1,19.2
  Bottom Layer w0.5: J7.11@31.27,54.63 34.897,51.003 38.57,51.003 40.05,49.524 ; v1(40.03,48.514) 40.05,48.533 40.05,49.524 ; U6.12@58.1,19.2 49.456,19.2 47.701,20.955 47.701,37.694 45.441,39.954 45.441,44.971 47.346,46.876 47.346,51.567 46.182,52.73 44.846,52.73 43.671,51.555 42.081,51.555 40.05,49.524
ESP32-LTE-DTR: J1.3 J7.9 U1.26 U6.2 | length 76
  Top Layer w0.5: J7.9@28.73,54.63 30.274,53.086 38.456,53.086 39.624,51.918 43.847,51.918 44.14,51.625 44.14,50.415 44.344,50.211 44.344,48.721 v1(44.348,48.717) ; U6.2@37.78,16.66 46.891,16.66 48.082,15.469 48.082,9.042 48.598,8.527 49.305,8.527 49.305,8.458 J1.3@49.703,8.06
  Bottom Layer w0.5: U6.2@37.78,16.66 41.76,16.66 43.18,18.08 43.18,45.602 44.348,46.77 v1(44.348,48.717)
ESP32-LTE-RI: J7.13 J14.2 U1.14 U6.1 | length 114.1
  Top Layer w0.5: v1(42.139,37.49) 42.821,37.49 45.61,34.701 U1.14@45.61,33.215 47.464,33.215 48.412,34.163 48.412,35.57 49.545,36.703 55.118,36.703 55.755,37.34 55.755,39.58 52.908,42.427 52.908,51.926 51.139,53.696 46.38,53.696 45.974,54.102 v1(43.79,54.102)
  Bottom Layer w0.5: J7.13@33.81,54.63 36.472,51.968 41.199,51.968 41.635,52.405 42.778,52.405 43.79,53.416 v1(43.79,54.102) ; v1(42.139,37.49) 42.139,20.091 41.523,19.476 38.056,19.476 37.1,18.52 35.97,18.52 35.357,17.907 35.357,4.877 36.982,3.251 48.438,3.251 49.703,4.516 J14.2@49.703,8.06
ESP32-LTE-RTS: J7.3 U1.31 | length 23.5
  Top Layer w0.5: J7.3@21.11,54.63 21.11,50.772 22.022,49.86 26.086,49.86 28.27,52.045 37.363,52.045 37.836,51.572 37.836,50.369 U1.31@37.99,50.215
ESP32-LTE-RXD: J7.7 SW2.3 | length 3
  Top Layer w0.5: SW2.3@25.4,51.943 25.4,53.812 26.19,54.602 J7.7@26.19,54.63
ESP32-LTE-TXD: J7.5 SW2.4 | length 3
  Top Layer w0.5: SW2.4@22.86,51.943 22.86,53.812 23.65,54.602 J7.5@23.65,54.63
ETH_CS: J14.1 U1.23 U6.11 | length 50.4
  Top Layer w0.5: v1(45.1,46.15) 45.105,46.155 46.605,46.155 U1.23@46.61,46.16
  Bottom Layer w0.5: v1(45.1,46.15) 45.1,46.123 44.45,45.473 44.45,39.522 46.609,37.363 46.609,20.142 48.489,18.263 52.07,18.263 53.673,16.66 ; J14.1@53.203,8.06 53.203,16.19 53.673,16.66 ; U6.11@58.1,16.66 53.673,16.66